# KiCad board random ass keyboard.kicad_pcb
title: ScottoModules (STM32F072CBT6); date: 2024-07-13; rev: 2.0.0; company: ScottoKeebs; note: GND filled zone should be on In1.Cu and In2.Cu on a 4 layer board.; note: GND can be used on F.Cu and B.Cu on a 2 layer board but not encouraged.
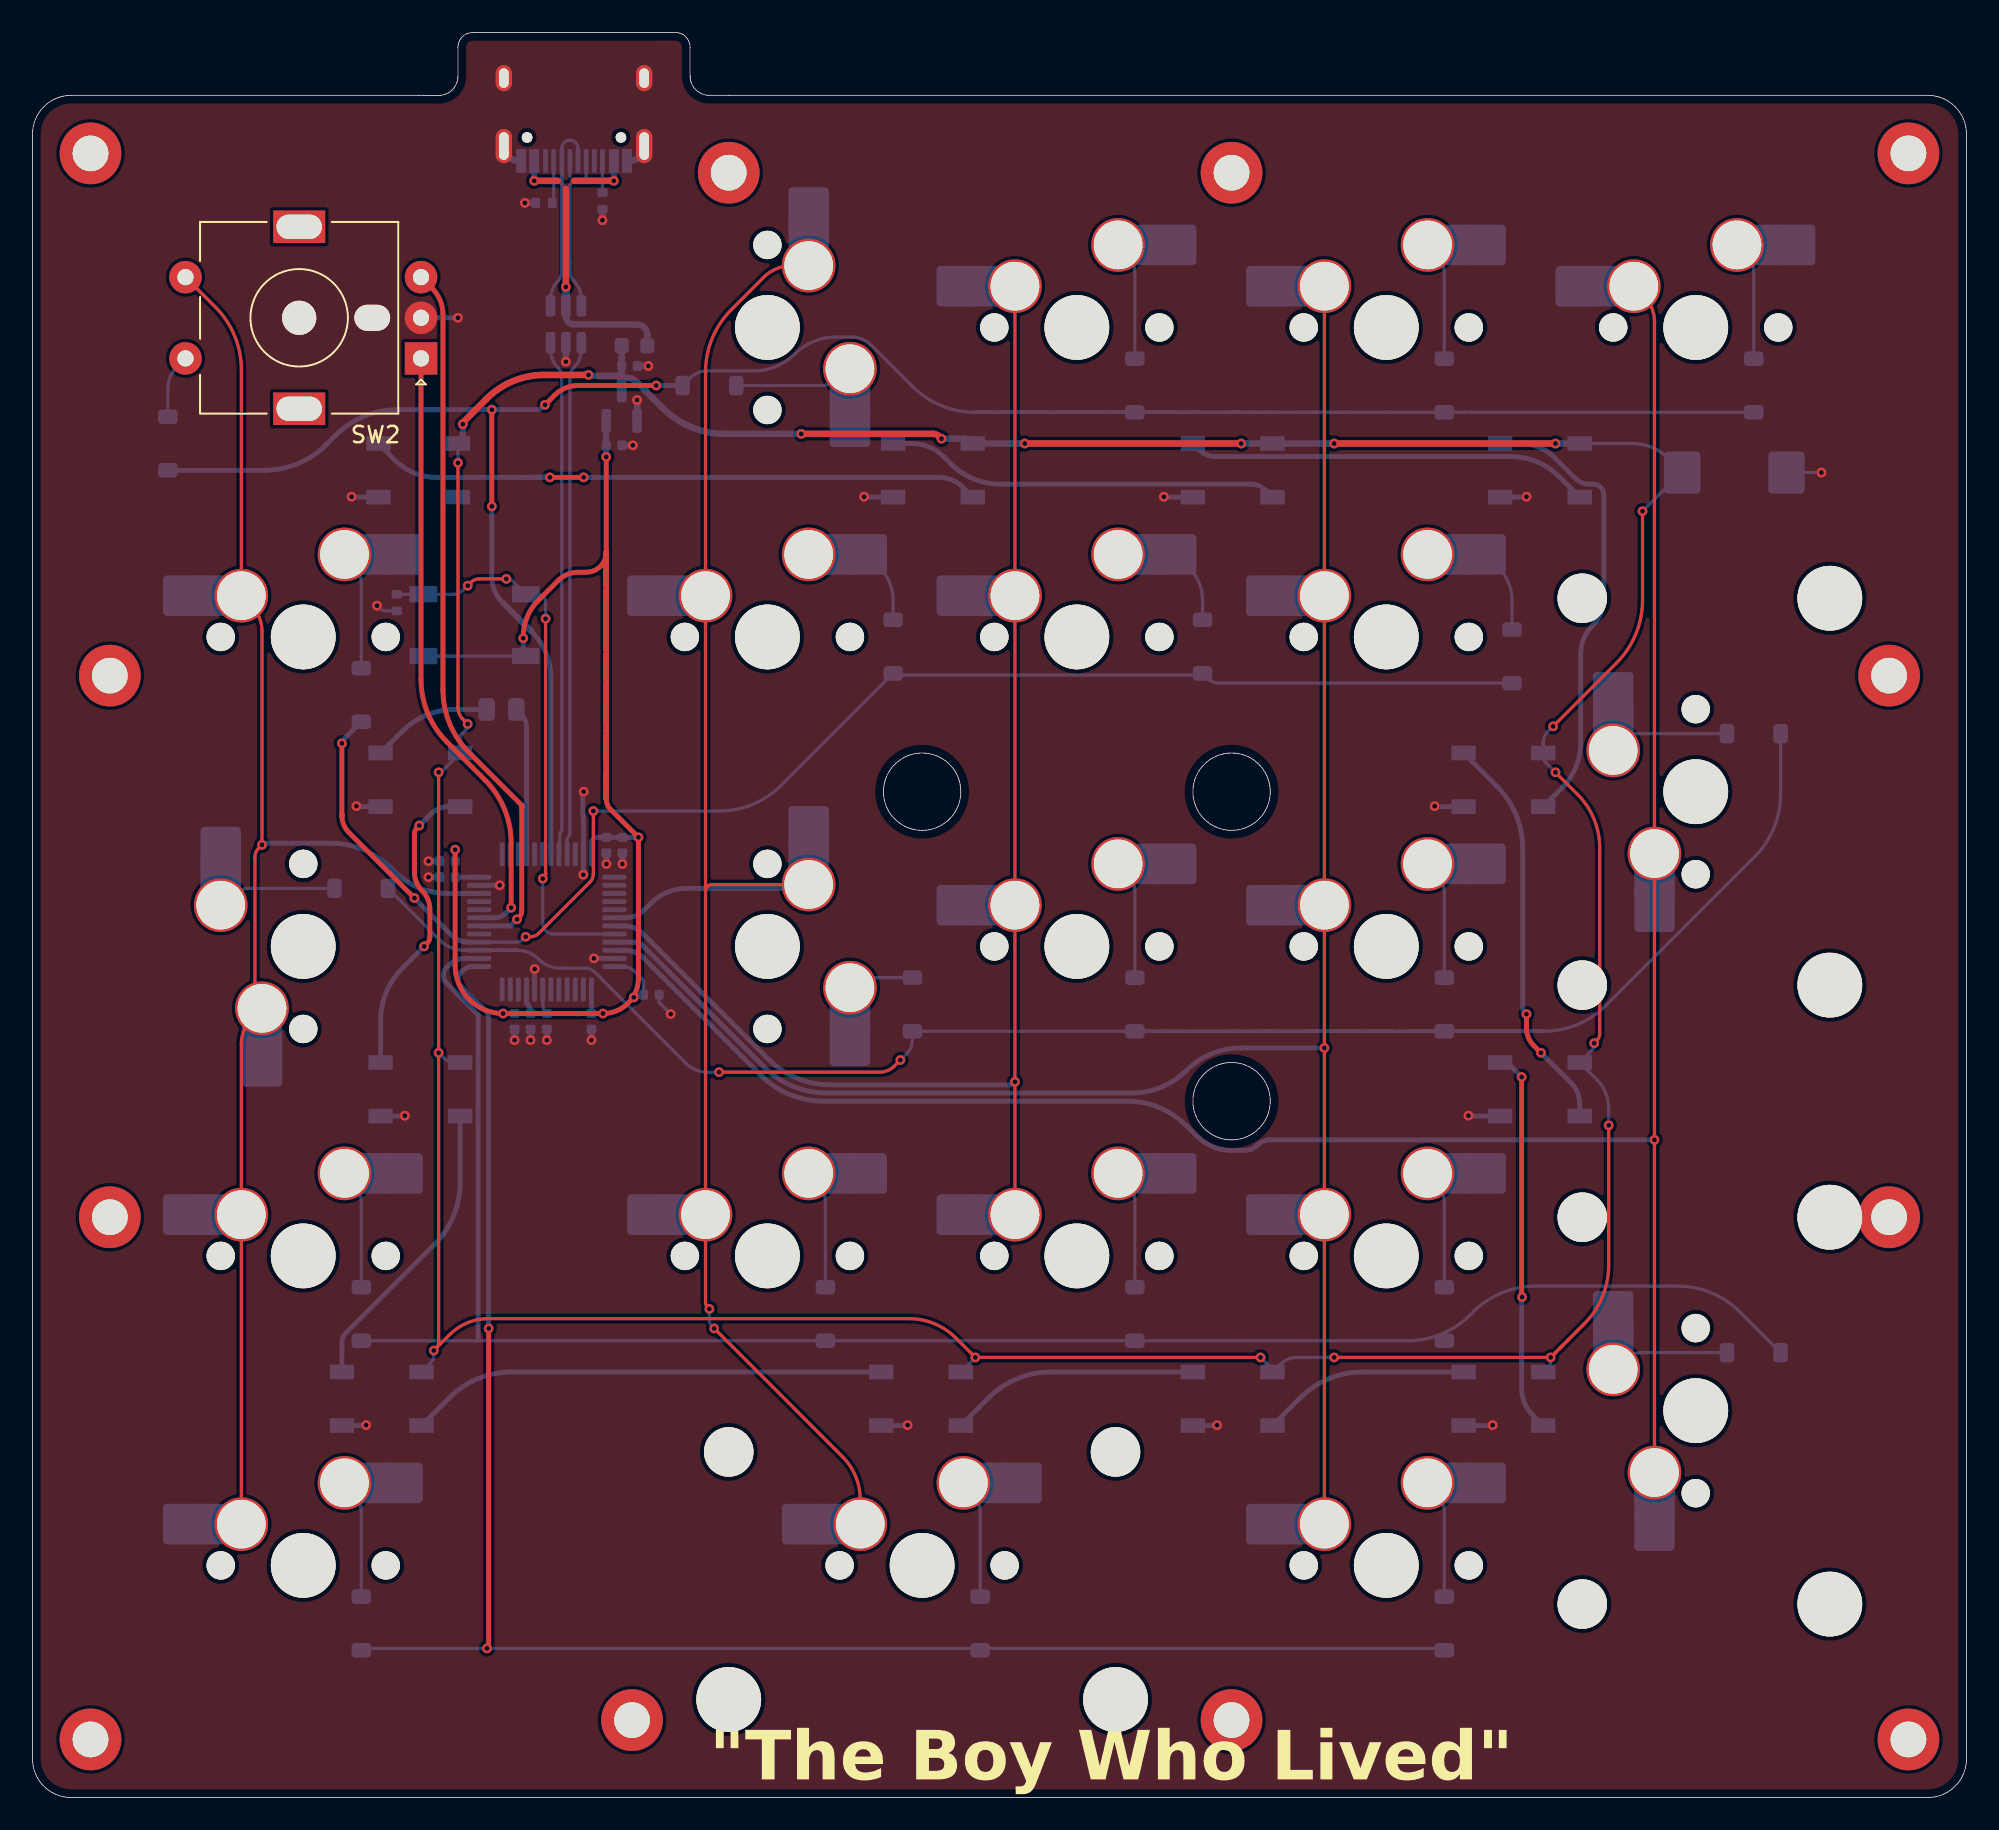
[diagram p0: board, top side]
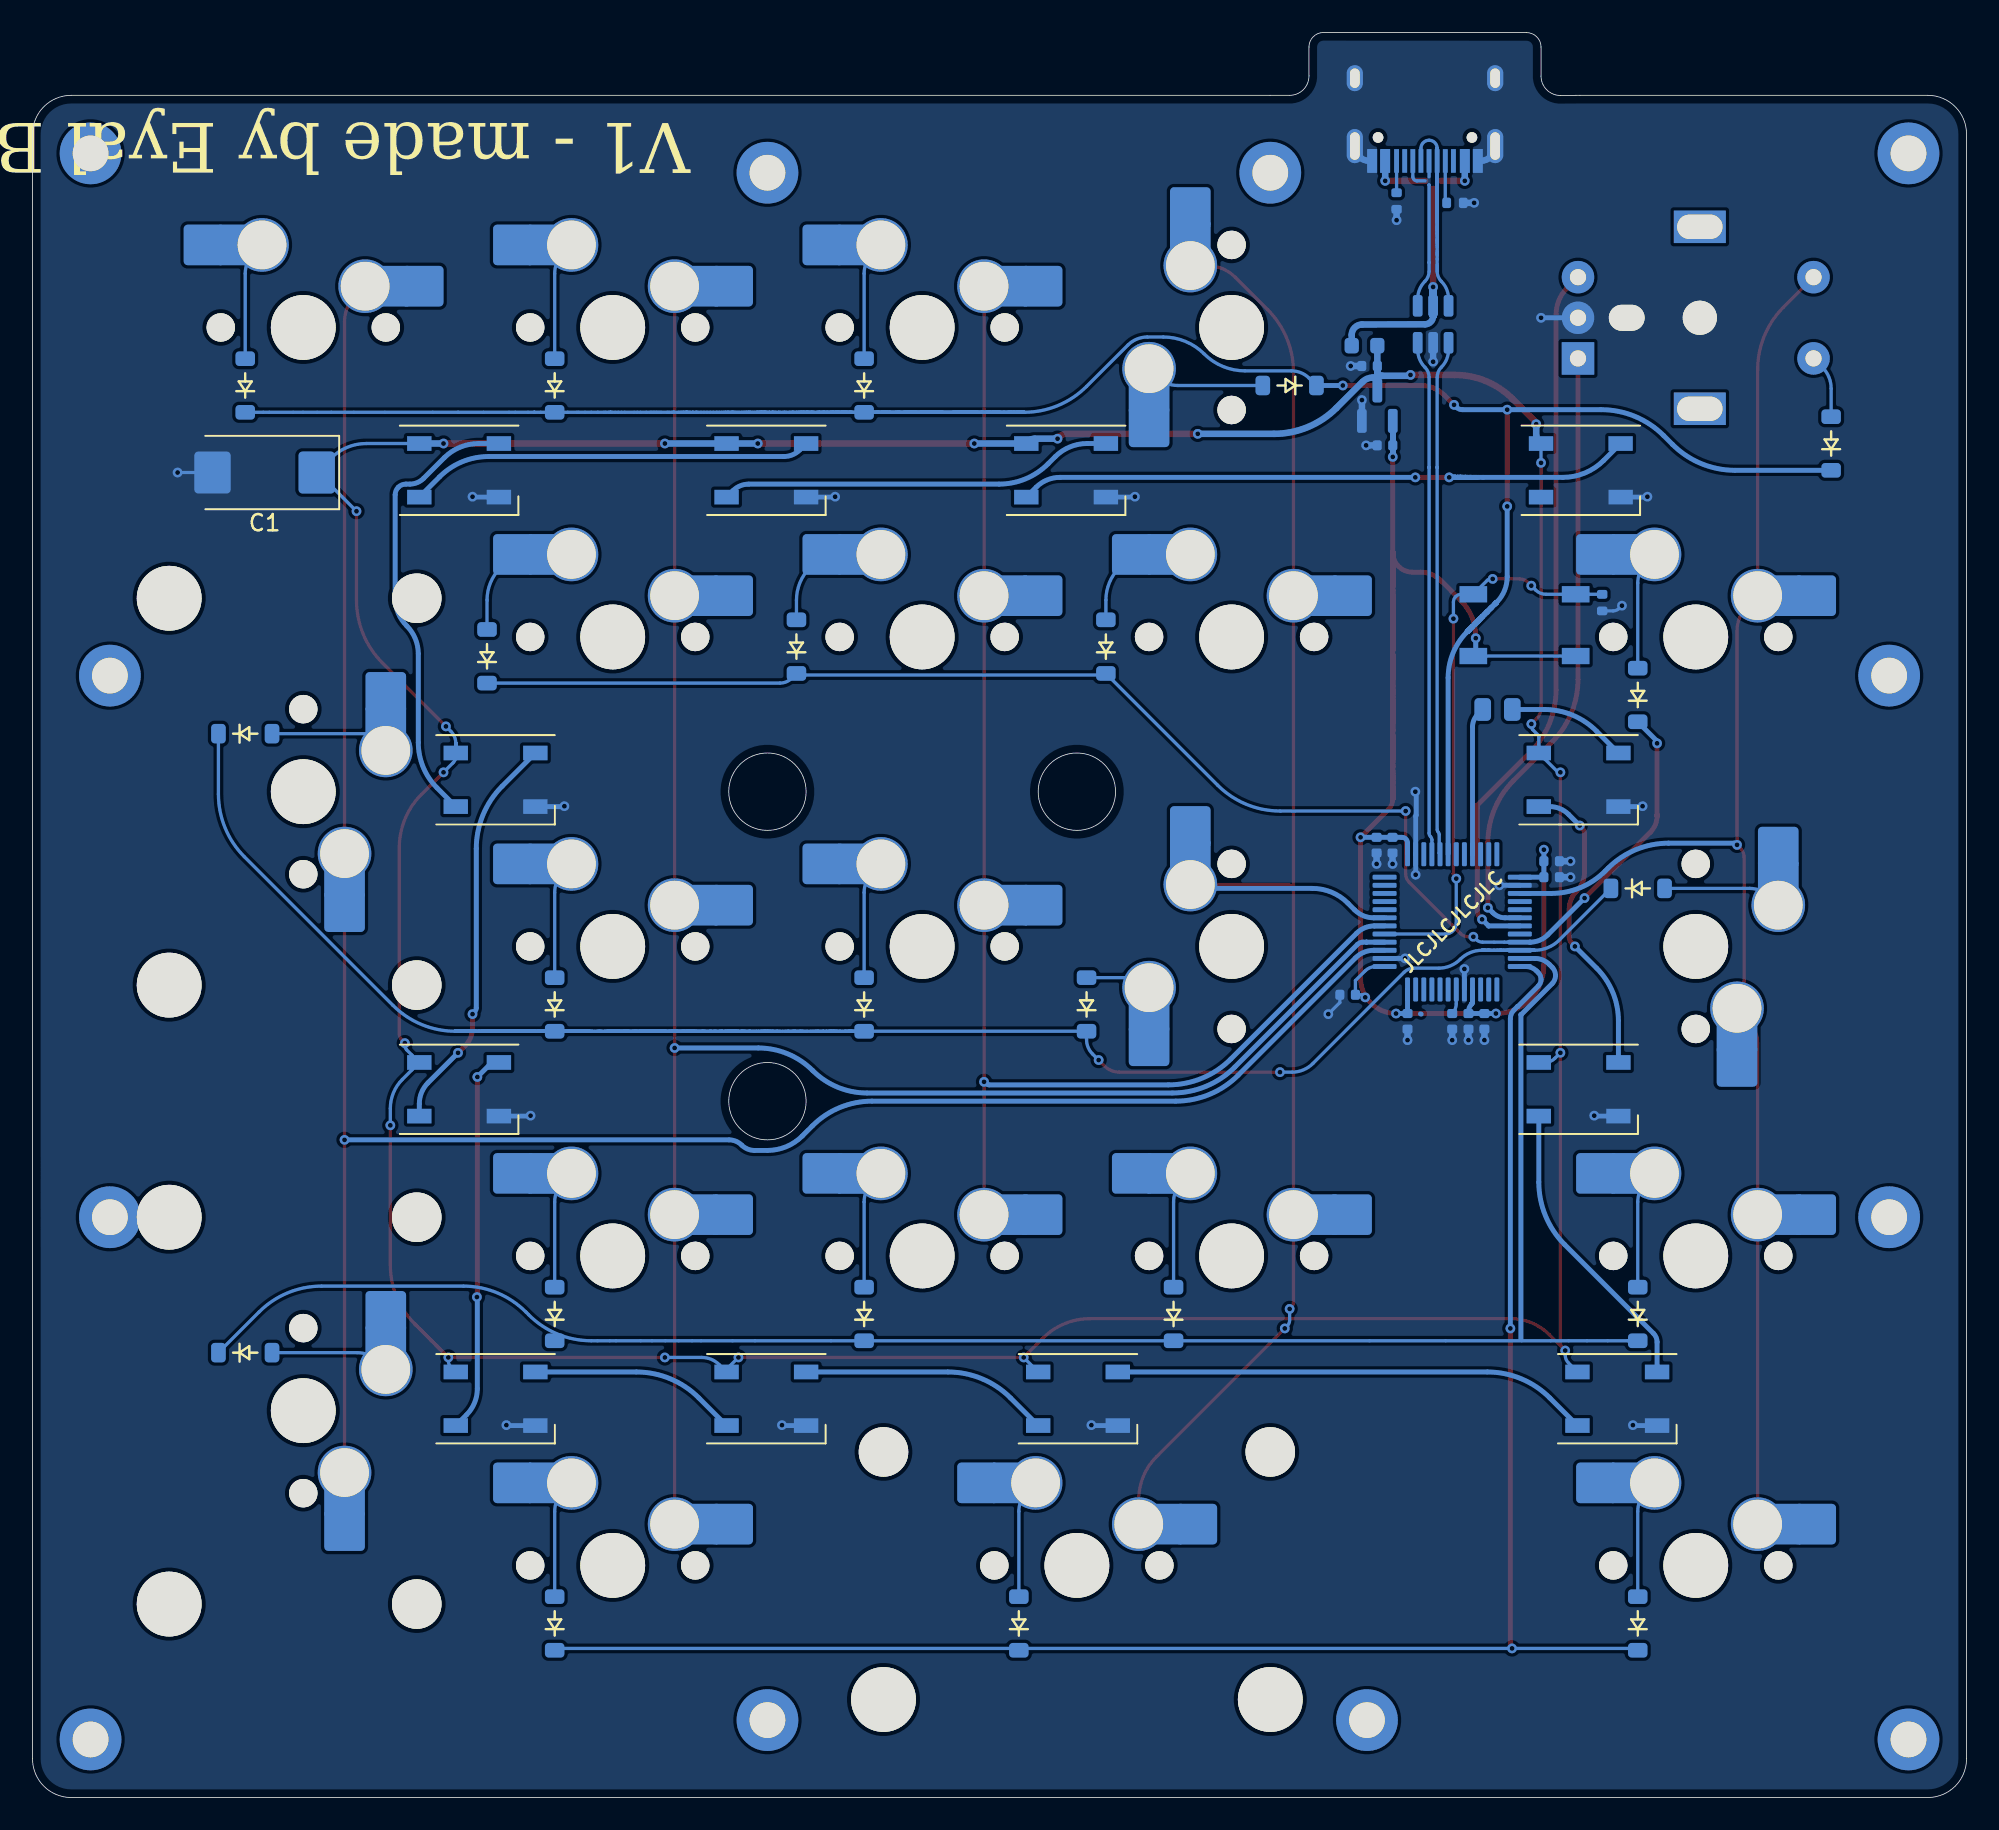
[diagram p1: board, bottom side, seen from below]

Outline 119.06 x 108.64 mm; copper layers: Top, In1.Cu, In2.Cu, Bottom. Coordinates in mm from the lower left corner of the outline.
Outline path: circle c54.77,61.91 r2.38 ; circle c73.82,61.91 r2.38 ; circle c73.82,42.86 r2.38 ; 25.01,104.77 23.81,104.78 2.38,104.78 arc(0.7,104.08) 0,102.39 0,2.38 arc(0.7,0.7) 2.38,0 116.68,0 arc(118.37,0.7) 119.06,2.38 119.06,102.39 ; 27.09,108.64 arc(26.46,108.38) 26.19,107.74 26.19,105.96 arc(25.84,105.12) 25,104.77 ; 27.08,108.64 39.59,108.64 arc(40.22,108.38) 40.48,107.75 40.48,105.97 arc(40.83,105.12) 41.67,104.77 42.86,104.78 116.68,104.78 arc(118.37,104.08) 119.06,102.39
Stack: Top 0.035mm / dielectric 0.1mm FR4 er 4.5 / In1.Cu 0.035mm / dielectric 1.24mm FR4 er 4.5 / In2.Cu 0.035mm / dielectric 0.1mm FR4 er 4.5 / Bottom 0.035mm

## Placement (name value [footprint] x y rotation side)
C1  100µF 10V  [CP_EIA-7343-31_Kemet-D_HandSolder]  104.77 81.56 0 bottom
C7  100nF  [Capacitor_0402]  31.66 47.78 270 bottom
C8  1uF  [Capacitor_0402]  36.75 88.12 0 bottom
C9  1uF  [Capacitor_0402]  35.8 83.23 0 bottom
C10  100nF  [Capacitor_0402]  34.41 47.78 90 bottom
C11  100nF  [Capacitor_0402]  25.54 56.65 0 bottom
C12  4.7uF  [Capacitor_0402]  25.54 57.63 0 bottom
C13  100nF  [Capacitor_0402]  38.1 49.41 180 bottom
C14  10nF  [Capacitor_0402]  30.66 47.78 90 bottom
C15  1uF  [Capacitor_0402]  29.68 47.78 90 bottom
C16  100nF  [Capacitor_0402]  35.34 58.62 90 bottom
C17  4.7uF  [Capacitor_0402]  36.32 58.62 90 bottom
D1  Diode  [Diode_SOD-123]  41.67 86.92 0 bottom
D2  Diode  [Diode_SOD-123]  67.87 86.92 90 bottom
D3  Diode  [Diode_SOD-123]  86.92 86.92 90 bottom
D4  Diode  [Diode_SOD-123]  105.97 86.92 90 bottom
D5  Diode  [Diode_SOD-123]  52.98 70.84 90 bottom
D6  Diode  [Diode_SOD-123]  72.03 70.84 90 bottom
D7  Diode  [Diode_SOD-123]  91.08 70.25 90 bottom
D8  -  [LED_WS2812B]  54.7 24.54 180 bottom
D9  Diode  [Diode_SOD-123]  54.17 48.82 90 bottom
D10  Diode  [Diode_SOD-123]  67.87 48.81 90 bottom
D11  Diode  [Diode_SOD-123]  86.92 48.81 90 bottom
D12  Diode  [Diode_SOD-123]  105.97 65.48 180 bottom
D13  Diode  [Diode_SOD-123]  48.82 29.76 90 bottom
D14  Diode  [Diode_SOD-123]  67.87 29.76 90 bottom
D15  Diode  [Diode_SOD-123]  86.92 29.76 90 bottom
D16  Diode  [Diode_SOD-123]  105.97 27.38 180 bottom
D17  Diode  [Diode_SOD-123]  58.34 10.71 90 bottom
D18  -  [LED_WS2812B]  73.89 24.54 180 bottom
D19  Diode  [Diode_SOD-123]  86.92 10.71 90 bottom
D20  -  [LED_WS2812B]  90.56 24.54 180 bottom
D21  -  [LED_WS2812B]  92.8 43.59 180 bottom
D22  Diode  [Diode_SOD-123]  20.24 67.87 90 bottom
D23  Diode  [Diode_SOD-123]  20.24 55.96 180 bottom
D24  Diode  [Diode_SOD-123]  20.24 29.76 90 bottom
D25  Diode  [Diode_SOD-123]  20.24 10.71 90 bottom
D26  -  [LED_WS2812B]  90.56 62.64 180 bottom
D27  -  [LED_WS2812B]  92.8 81.69 180 bottom
D28  -  [LED_WS2812B]  21.5 24.54 180 bottom
D29  -  [LED_WS2812B]  23.88 43.59 180 bottom
D30  -  [LED_WS2812B]  23.88 62.64 180 bottom
D31  -  [LED_WS2812B]  23.74 81.69 180 bottom
D32  -  [LED_WS2812B]  55.43 81.69 180 bottom
D33  -  [LED_WS2812B]  73.89 81.69 180 bottom
D34  Diode  [Diode_SOD-123]  8.33 83.34 90 bottom
F1  500mA  [Fuse_0603]  37.06 89.37 180 bottom
G***  -  [LOGO]  -88.7 100.01 0 top
G***#2  LOGO  [elder want]  -89.89 45.84 0 top
J1  USB_C  [USB_C_HRO_TYPE-C-31-M-12]  33.34 104.78 0 bottom
R1  10k  [Resistor_0402]  22.43 73.55 90 bottom
R2  5.1k  [Resistor_0402]  31.49 98.16 180 bottom
R3  5.1k  [Resistor_0402]  35.09 98.27 270 bottom
R4  330R  [Resistor_0805]  28.87 66.97 180 bottom
REF**  -  [MountingHole_2.2mm_M2_DIN965_Pad]  42.86 100.01 90 top
REF**#2  -  [MountingHole_2.2mm_M2_DIN965_Pad]  36.91 4.76 90 top
REF**#3  -  [STAB_MX_2u]  102.39 23.81 90 top
REF**#4  -  [MountingHole_2.2mm_M2_DIN965_Pad]  3.57 101.2 0 top
REF**#5  -  [MountingHole_2.2mm_M2_DIN965_Pad]  73.82 4.76 90 top
REF**#6  -  [MountingHole_2.2mm_M2_DIN965_Pad]  4.76 35.72 0 top
REF**#7  -  [MountingHole_2.2mm_M2_DIN965_Pad]  114.3 35.72 0 top
REF**#8  -  [MountingHole_2.2mm_M2_DIN965_Pad]  4.76 69.06 0 top
REF**#9  -  [STAB_MX_2u]  54.77 14.29 0 top
REF**#10  -  [MountingHole_2.2mm_M2_DIN965_Pad]  115.49 101.2 0 top
REF**#11  -  [MountingHole_2.2mm_M2_DIN965_Pad]  3.57 3.57 0 top
REF**#12  -  [MountingHole_2.2mm_M2_DIN965_Pad]  115.49 3.57 0 top
REF**#13  -  [STAB_MX_2u]  102.39 61.91 90 top
REF**#14  -  [MountingHole_2.2mm_M2_DIN965_Pad]  114.3 69.06 0 top
REF**#15  -  [MountingHole_2.2mm_M2_DIN965_Pad]  73.82 100.01 90 top
S1  Keyswitch  [SW_MX_HS_CPG151101S11_1u]  45.24 90.49 90 bottom
S2  Keyswitch  [SW_MX_HS_CPG151101S11_1u]  64.29 90.49 180 bottom
S3  Keyswitch  [SW_MX_HS_CPG151101S11_1u]  83.34 90.49 180 bottom
S4  Keyswitch  [SW_MX_HS_CPG151101S11_1u]  102.39 90.49 180 bottom
S5  Keyswitch  [SW_MX_HS_CPG151101S11_1u]  45.24 71.44 180 bottom
S6  Keyswitch  [SW_MX_HS_CPG151101S11_1u]  64.29 71.44 180 bottom
S7  Keyswitch  [SW_MX_HS_CPG151101S11_1u]  83.34 71.44 180 bottom
S9  Keyswitch  [SW_MX_HS_CPG151101S11_1u]  45.24 52.39 90 bottom
S10  Keyswitch  [SW_MX_HS_CPG151101S11_1u]  64.29 52.39 180 bottom
S11  Keyswitch  [SW_MX_HS_CPG151101S11_1u]  83.34 52.39 180 bottom
S12  Keyswitch  [SW_MX_HS_CPG151101S11_1.5u]  102.39 61.91 270 bottom
S13  Keyswitch  [SW_MX_HS_CPG151101S11_1u]  45.24 33.34 180 bottom
S14  Keyswitch  [SW_MX_HS_CPG151101S11_1u]  64.29 33.34 180 bottom
S15  Keyswitch  [SW_MX_HS_CPG151101S11_1u]  83.34 33.34 180 bottom
S16  Keyswitch  [SW_MX_HS_CPG151101S11_1.5u]  102.39 23.81 270 bottom
S17  Keyswitch  [SW_MX_HS_CPG151101S11_1.5u]  54.77 14.29 180 bottom
S19  Keyswitch  [SW_MX_HS_CPG151101S11_1u]  83.34 14.29 180 bottom
S22  Keyswitch  [SW_MX_HS_CPG151101S11_1u]  16.67 71.44 180 bottom
S23  Keyswitch  [SW_MX_HS_CPG151101S11_1u]  16.67 52.39 270 bottom
S24  Keyswitch  [SW_MX_HS_CPG151101S11_1u]  16.67 33.34 180 bottom
S25  Keyswitch  [SW_MX_HS_CPG151101S11_1u]  16.67 14.29 180 bottom
SW1  SW_Push  [Button_TL3342]  27.21 72.16 0 bottom
SW2  RotaryEncoder_Switch  [RotaryEncoder_Alps_EC11E-Switch_Vertical_H20mm_MountingHoles]  23.92 88.58 180 top
U1  STM32F072CBT6  [Package_LQFP-48_7x7mm_P0.5]  31.66 53.9 90 bottom
U3  XC6206  [Voltage_SOT-23]  36.27 85.67 90 bottom
U4  USBLC6-2SC6  [ESD_SOT-23-6]  32.84 90.68 90 bottom

## Library data of the parts
C1 = -: Description: Polarized capacitor; LCSC: C16133; ki_fp_filters: CP_*
C7 = -: Description: Unpolarized capacitor, small symbol; LCSC: C307331; ki_fp_filters: C_*
C8 C9 = -: Description: Unpolarized capacitor, small symbol; LCSC: C52923; ki_fp_filters: C_*
C10 C11 C13 C16 = -: Description: Unpolarized capacitor, small symbol; LCSC: C307331; MPN: CL05B104KB54PNC; ki_fp_filters: C_*
C12 C17 = -: Description: Unpolarized capacitor, small symbol; LCSC: C23733; MPN: CL05A475MP5NRNC; ki_fp_filters: C_*
C14 = -: Description: Unpolarized capacitor, small symbol; LCSC: C15195; MPN: CL05B103KB5NNNC; ki_fp_filters: C_*
C15 = -: Description: Unpolarized capacitor, small symbol; LCSC: C52923; MPN: CL05A105KA5NQNC; ki_fp_filters: C_*
D1-D7 D9-D17 D19 D22-D25 D34 = -: Description: 1N4148 (DO-35) or 1N4148W (SOD-123); Sim.Device: D; Sim.Pins: 1=K 2=A; LCSC: C2128; ki_fp_filters: D*DO?35*
D8 D18 D20 D21 D26-D33 = -: Datasheet: https://cdn-shop.adafruit.com/datasheets/WS2812B.pdf; Description: RGB LED with integrated controller; LCSC: C292004; ki_fp_filters: LED*WS2812*PLCC*5.0x5.0mm*P3.2mm*
F1 = -: Description: Fuse, small symbol; LCSC: C210357; ki_fp_filters: *Fuse*
J1 = -: Datasheet: https://www.usb.org/sites/default/files/documents/usb_type-c.zip; Description: USB 2.0-only 14P Type-C Receptacle connector; LCSC: C165948; ki_fp_filters: USB*C*Receptacle*
R1 = -: Description: Resistor, small symbol; LCSC: C25744; ki_fp_filters: R_*
R2 R3 = -: Description: Resistor, small symbol; LCSC: C25905; ki_fp_filters: R_*
R4 = -: Description: Resistor; LCSC: C23138; ki_fp_filters: R_*
S1 = -: Description: Push button switch, normally open, two pins, 45° tilted
S2-S7 S9-S17 S19 S22-S25 = -: Description: Push button switch, normally open, two pins, 45° tilted; LCSC: CPG151101S11-16
SW1 = -: Description: Push button switch, generic, two pins; LCSC: C115351
SW2 = -: Description: Rotary encoder, dual channel, incremental quadrate outputs, with switch; ki_fp_filters: RotaryEncoder*Switch*
U1 = -: Datasheet: https://www.st.com/resource/en/datasheet/stm32f072cb.pdf; Description: STMicroelectronics Arm Cortex-M0 MCU, 128KB flash, 16KB RAM, 48 MHz, 2.0-3.6V, 37 GPIO, LQFP48; LCSC: C81720; JlcRotOffset: -90; ki_fp_filters: LQFP*7x7mm*P0.5mm*
U3 = -: Datasheet: https://www.torexsemi.com/file/xc6206/XC6206.pdf; Description: Positive 60-250mA Low Dropout Regulator, Fixed Output, SOT-23; LCSC: C5446; JlcRotOffset: 180; ki_fp_filters: SOT?23?3*
U4 = -: Datasheet: https://www.st.com/resource/en/datasheet/usblc6-2.pdf; Description: Very low capacitance ESD protection diode, 2 data-line, SOT-23-6; LCSC: C2827654; JlcRotOffset: -90; ki_fp_filters: SOT?23*

## Footprints (pads in the part's own frame, mm; a bottom-side part is the same pattern mirrored in y, then rotated)
Button_TL3342
  rect 1.7x1 smd: 1(-3.15,1.9) 1(3.15,1.9) 2(-3.15,-1.9) 2(3.15,-1.9)
Capacitor_0402
  rrect 0.56x0.62 smd: 1(-0.48,0) 2(0.48,0)
CP_EIA-7343-31_Kemet-D_HandSolder
  rrect 2.245x2.59 smd: 1(-3.208,0) 2(3.208,0)
Diode_SOD-123
  rrect 0.9x1.2 smd: 1(-1.65,0) 2(1.65,0)
ESD_SOT-23-6
  rrect 1.325x0.6 smd: 1(-1.137,0.95) 2(-1.137,0) 3(-1.137,-0.95) 4(1.137,-0.95) 5(1.137,0) 6(1.137,0.95)
Fuse_0603
  rrect 0.875x0.95 smd: 1(-0.787,0) 2(0.787,0)
LED_WS2812B
  rect 1.5x0.9 smd: 1(-2.45,1.65) 2(-2.45,-1.65) 3(2.45,-1.65) 4(2.45,1.65)
MountingHole_2.2mm_M2_DIN965_Pad
  round 3.8 hole 2.2: 1(0,0)
Package_LQFP-48_7x7mm_P0.5
  rrect 1.475x0.3 smd: 1(-4.162,2.75) 2(-4.162,2.25) 3(-4.162,1.75) 4(-4.162,1.25) 5(-4.162,0.75) 6(-4.162,0.25) 7(-4.162,-0.25) 8(-4.162,-0.75) 9(-4.162,-1.25) 10(-4.162,-1.75) 11(-4.162,-2.25) 12(-4.162,-2.75) 25(4.162,-2.75) 26(4.162,-2.25) 27(4.162,-1.75) 28(4.162,-1.25) 29(4.162,-0.75) 30(4.162,-0.25) 31(4.162,0.25) 32(4.162,0.75) 33(4.162,1.25) 34(4.162,1.75) 35(4.162,2.25) 36(4.162,2.75)
  rrect 0.3x1.475 smd: 13(-2.75,-4.162) 14(-2.25,-4.162) 15(-1.75,-4.162) 16(-1.25,-4.162) 17(-0.75,-4.162) 18(-0.25,-4.162) 19(0.25,-4.162) 20(0.75,-4.162) 21(1.25,-4.162) 22(1.75,-4.162) 23(2.25,-4.162) 24(2.75,-4.162) 37(2.75,4.162) 38(2.25,4.162) 39(1.75,4.162) 40(1.25,4.162) 41(0.75,4.162) 42(0.25,4.162) 43(-0.25,4.162) 44(-0.75,4.162) 45(-1.25,4.162) 46(-1.75,4.162) 47(-2.25,4.162) 48(-2.75,4.162)
Resistor_0402
  rrect 0.54x0.64 smd: 1(-0.51,0) 2(0.51,0)
Resistor_0805
  rrect 1.025x1.4 smd: 1(-0.912,0) 2(0.912,0)
RotaryEncoder_Alps_EC11E-Switch_Vertical_H20mm_MountingHoles
  oval 2.2x1.6 hole 2.2x1.6 unplated: (3,-2.5)
  round 2.1 hole 2.1 unplated: (7.5,-2.5)
  rect 2x2 hole 1: A(0,0)
  round 2 hole 1: B(0,-5) C(0,-2.5) S1(14.5,-5) S2(14.5,0)
  rect 3.2x2 hole 2.8x1.5: MP(7.5,3.1) MP(7.5,-8.1)
STAB_MX_2u
  round 3.048 hole 3.048 unplated: (-11.906,6.985) (11.906,6.985)
  round 3.988 hole 3.988 unplated: (-11.906,-8.255) (11.906,-8.255)
SW_MX_HS_CPG151101S11_1.5u
  round 1.75 hole 1.75 unplated: (-5.08,0) (5.08,0)
  round 3.988 hole 3.988 unplated: (0,0)
  round 3.3 hole 3: 1(3.81,2.54) 2(-2.54,5.08)
  rect 1.65x2.5 smd: 1(5.635,2.54) 2(-4.34,5.08)
  rrect 2.55x2.5 smd: 1(7.36,2.54) 2(-6.09,5.08)
SW_MX_HS_CPG151101S11_1u
  round 1.75 hole 1.75 unplated: (-5.08,0) (5.08,0)
  round 3.988 hole 3.988 unplated: (0,0)
  round 3.3 hole 3: 1(3.81,2.54) 2(-2.54,5.08)
  rect 1.65x2.5 smd: 1(5.635,2.54) 2(-4.34,5.08)
  rrect 2.55x2.5 smd: 1(7.36,2.54) 2(-6.09,5.08)
USB_C_HRO_TYPE-C-31-M-12
  round 0.65 hole 0.65 unplated: (-2.89,2.6) (2.89,2.6)
  rect 0.6x1.45 smd: A1(-3.25,4.045) A4(-2.45,4.045) A9(2.45,4.045) A12(3.25,4.045) B1(3.25,4.045) B4(2.45,4.045) B9(-2.45,4.045) B12(-3.25,4.045)
  rect 0.3x1.45 smd: A5(-1.25,4.045) A6(-0.25,4.045) A7(0.25,4.045) A8(1.25,4.045) B5(1.75,4.045) B6(0.75,4.045) B7(-0.75,4.045) B8(-1.75,4.045)
  oval 1x1.6 hole 0.6x1.2: S1(-4.32,-1.05) S1(4.32,-1.05)
  oval 1x2.1 hole 0.6x1.7: S1(-4.32,3.13) S1(4.32,3.13)
Voltage_SOT-23
  rrect 1.475x0.6 smd: 1(-0.938,0.95) 2(-0.938,-0.95) 3(0.938,0)
